# Altium PCB EPS_v5.PcbDoc (continued)
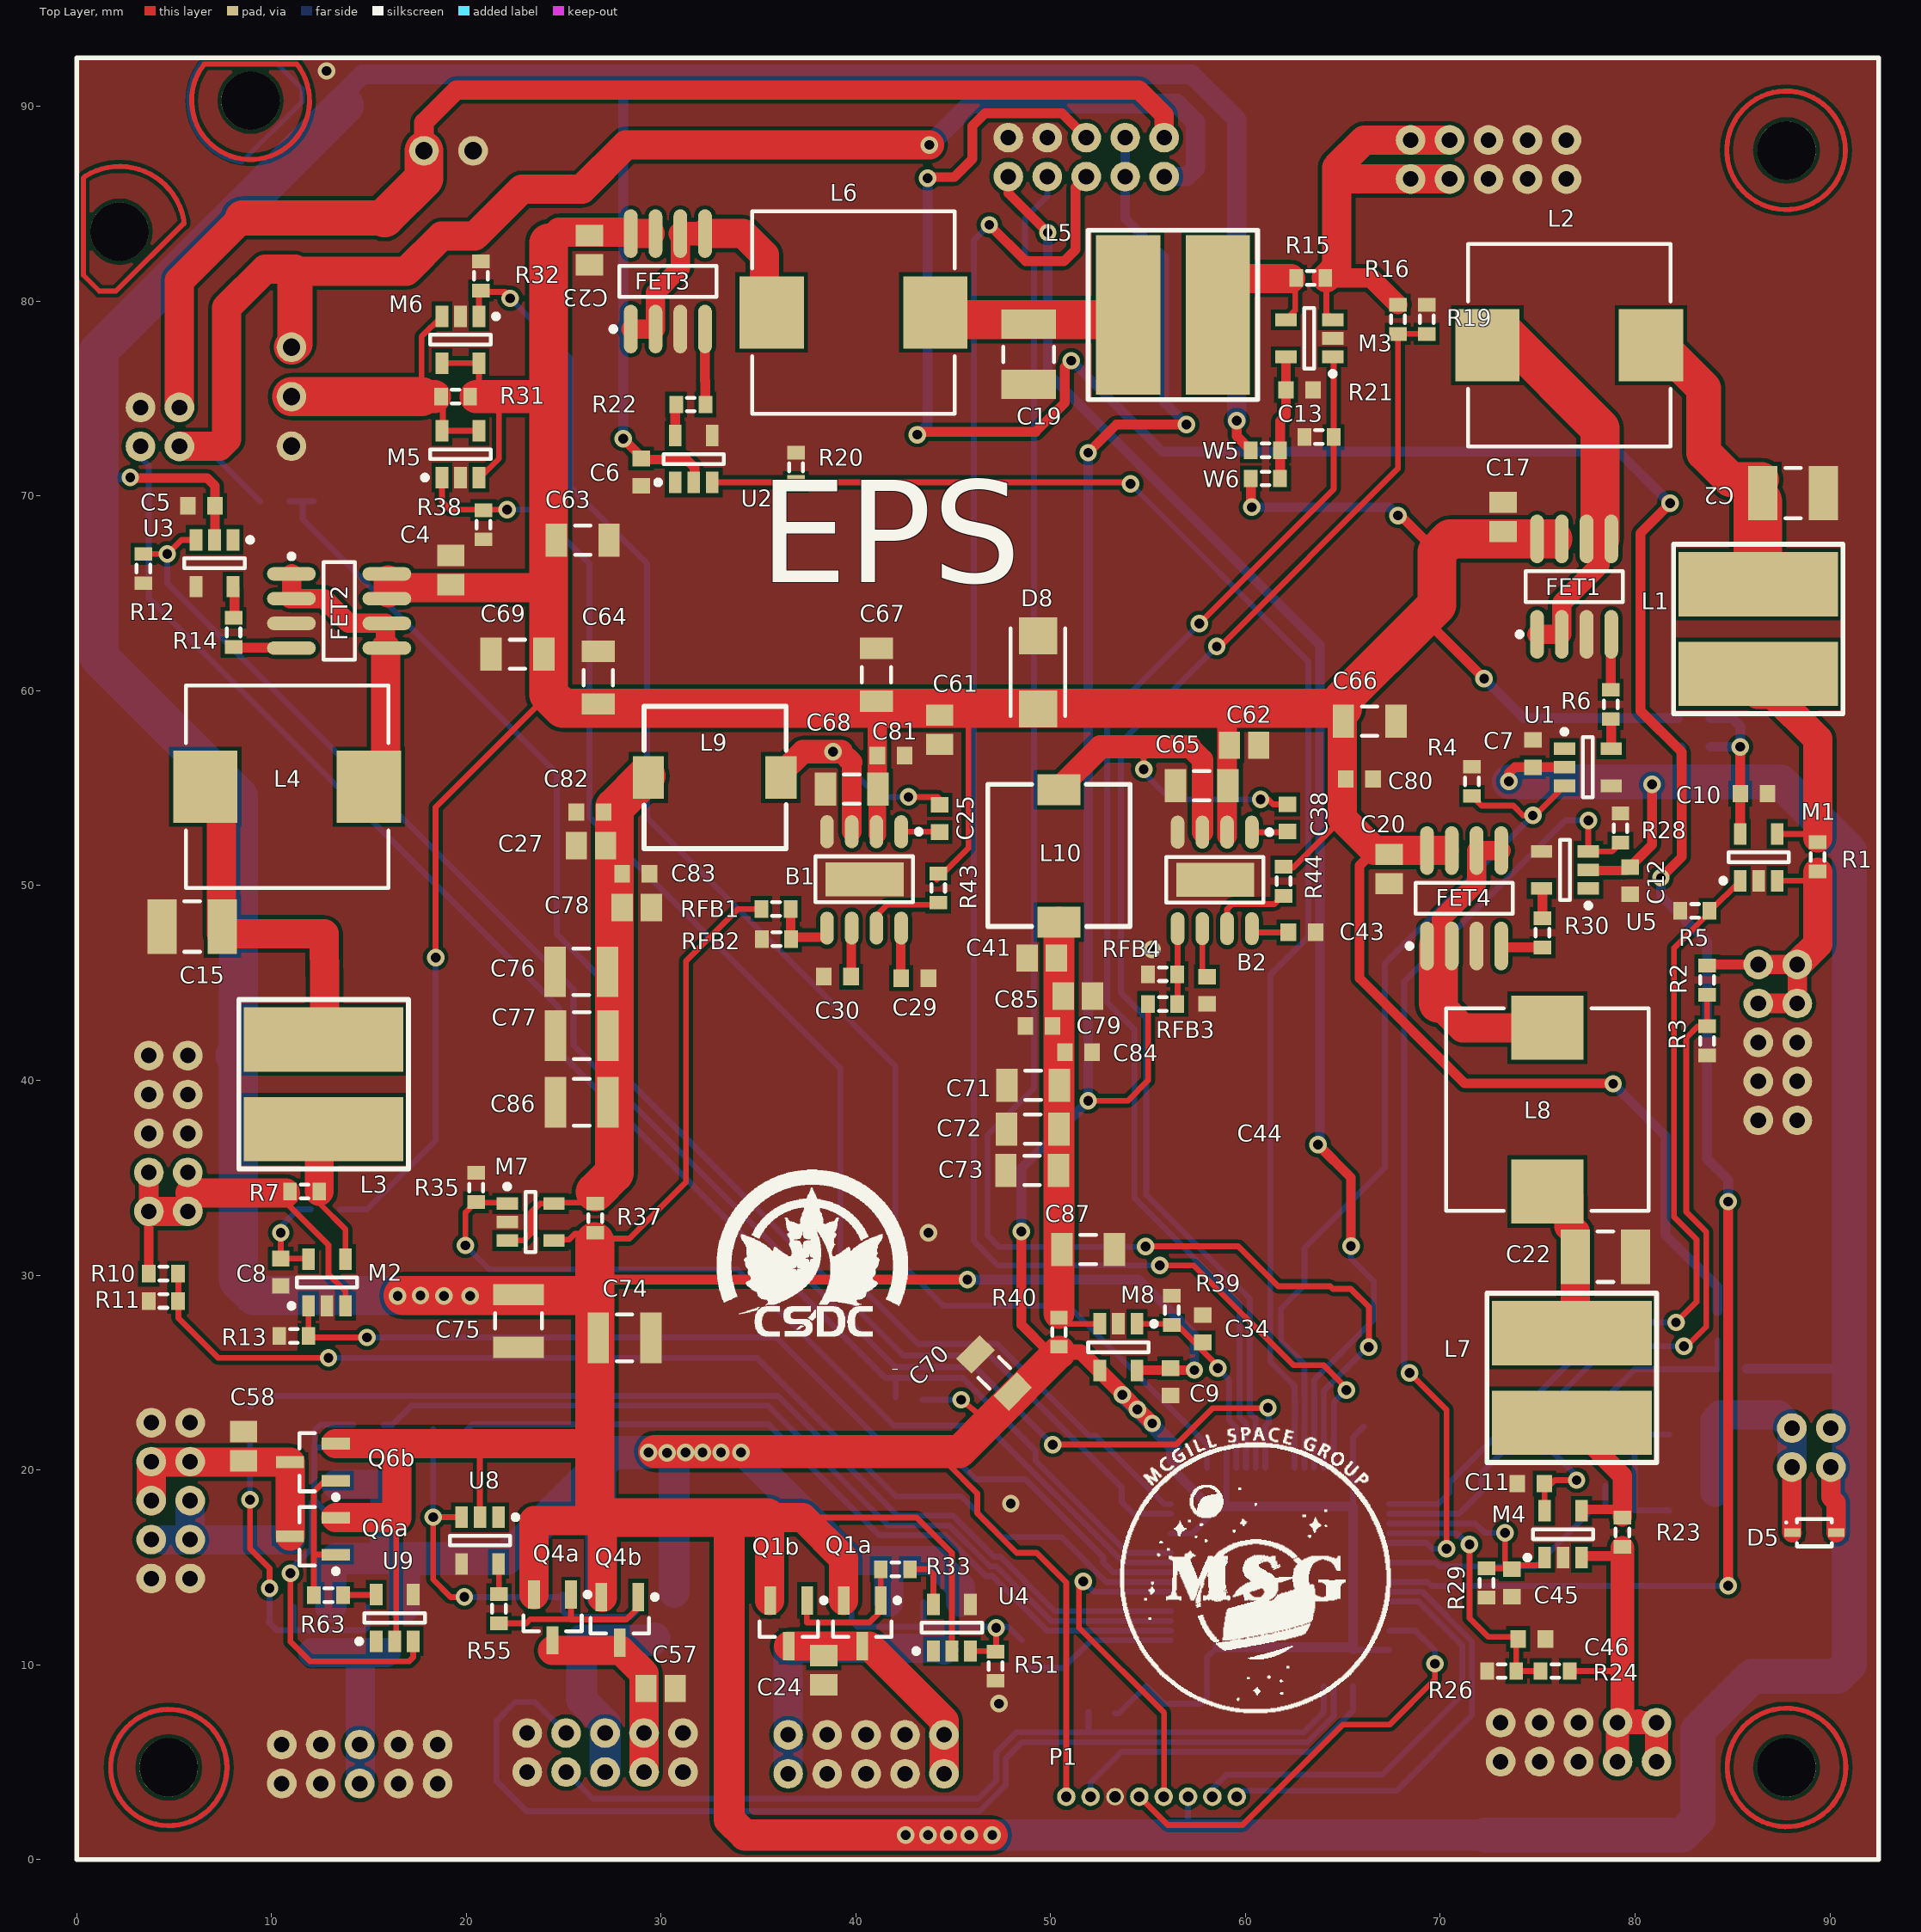
[diagram p0: Top Layer view]
## Part data (continued)
ADCS BATPACK Bottom COMM Left OBC PAYLOAD Right Top: library part "Header 10", "Header, 10-Pin"
Ant UMB: "Header, 4-Pin"
ANT1 ANT2: library part MOSFET-N, "N-Channel MOSFET"
B1 B2: library part TPS54228D, "Buck Step Down Regulator with 4.5 to 18 V Input and 0.76 to 7 V Output, -40 to 85 degC, 8-Pin SOIC (D), Green (RoHS & no Sb/Br)"
C2 C4 C5 C6 C7 C8 C9 C10 C11 C12 C13 C15 C17 C19 C20 C22 C23 C24 C25 C27 C29 C30 C31 C32 C33 C34 C35 C36 C37 C38 C39 C41 C42 C43 C44 C45 C46 C47 C48 C49 C50 C51 C52 C53 C54 C56 C57 C58 C59 C61 C62 C63 C64 C65 C66 C67 C68 C69 C70 C71 C72 C73 C74 C75 C76 C77 C78 C79 C80 C81 C82 C83 C84 C85 C86 C87: "Capacitor"
CB1: "Header, 3-Pin"
CB2: "Header, 2-Pin"
D5: library part Diode, "Default Diode"
D8: "Zener Diode"
FET1 FET2 FET3 FET4: library part Mosfet
L1 L3 L5 L7 L8 L9 L10: library part Inductor, "Inductor"
L2 L4 L6: library part 744325240, "SMD Flat Wire High Current Inductor WE-HCI, L=2.40 µH"
P1: "Header, 8-Pin"
Q1a Q1b Q2a Q2b Q3a Q3b Q4a Q4b Q5a Q5b Q6a Q6b Q7a Q7b: "P-Channel MOSFET"
R1 R2 R3 R4 R5 R6 R7 R10 R11 R12 R13 R14 R15 R16 R19 R20 R21 R22 R23 R24 R26 R27 R28 R29 R30 R31 R32 R33 R34 R35 R36 R37 R38 R39 R40 R41 R42 R43 R44 R50 R51 R52 R54 R55 R56 R61 R62 R63 R64 RFB1 RFB2 RFB3 RFB4: "Resistor"
STM1: library part STM32F103R6T6, "STM32 ARM-based 32-bit MCU with 32 Kbytes Flash, 64-pin LQFP, Industrial Temperature"
U1 U2 U3 U4 U5 U8 U9: "Tiny 1.5A, High-Speed Power MOSFET Driver, Non Inverting, Extended Temperature, Tape and Reel"
W1 W2 W3 W4 W5 W6 W7 W8: "Jumper Wire"

## Free pads (board coordinates)
  round 3 hole 3: 1(4.725,4.725) 2(2.2,83.575) 2(8.925,90.3) 3(87.775,87.75) 4(87.775,4.725)

## Via types
v1: diameter 0.9, hole 0.5, Top Layer to Bottom Layer, 91 vias

## Nets (pads, with @x,y where several pads share a name; then routed paths per layer and width w, separated by ;. In a path a pad name is that pad's centre, name@x,y a point inside that pad or via, vN(x,y) a via of type N, cw(c..) or ccw(c..) an arc to the next point about the centre after c; other vN are vias at no path point)
3_3V: BATPACK.3 BATPACK.4 C51.1 C52.1 C53.1 C54.1 C70.2 M8.4 P1.1 Q2a.2 Q2b.2 Q3a.2 Q3b.2 Q5a.2 Q5b.2 Q7a.2 Q7b.2 R40.1 R61.1 R62.2 RFB3.2 STM1.13 STM1.19 STM1.32 STM1.48 STM1.64 | length 246.3
  Top Layer w0.3: 44.7,20.325 46.225,18.8 46.225,17.775 48.25,15.75 49.275,15.75 50.8,14.225 P1.1 ; v1(45.4,23.6) 46.675,22.55 46.925,22.55 ; 49.9,26.05 R40.1@50.425,26.05 ; v1(51.925,38.95) 53.95,38.95 55,40 RFB3.2 RFB3.2@55,44.025
  Top Layer w0.5: v1(48.5,32.25) 48.5,27.45 49.9,26.05 ; v1(51.925,72.225) 53.375,73.675 v1(56.969,73.675)
  Top Layer w0.8: R40.1@50.425,26.05 51.55,26.05 52.512,25.088 53.713,23.888 54.475,23.125 v1(55.213,22.388)
  Top Layer w1.7: v1@29.675,20.95 45.325,20.95 46.925,22.55 R40.1@50.425,26.05
  Bottom Layer w0.3: R62.2@43.425,23.6 v1(45.4,23.6) ; R61.1@53.3,7.5 53.5,7.5 C51.1 55.8,8 57.7,8 58.025,8.325 STM1.64 58.025,10.375 58.55,10.9 ; STM1.13 57.282,16.75 57.575,17.043 57.575,17.05 58.65,18.125 ; 59,18.125 59.025,18.15 STM1.19 STM1.19@59.025,20.975 ; 65.4,10.9 65.525,10.775 65.55,10.75 STM1.48 ; 65.525,18.125 STM1.32 65.525,21.675 65.95,22.1 C53.1@66.075,22.225
  Bottom Layer w0.5: v1(48.5,32.25) 48.5,35.5 v1@51.937,38.938 ; v1@51.875,72.275 v1(51.925,72.225) v1(51.925,38.95) ; BATPACK.3 BATPACK.4 53.825,84.25 55.825,82.25 55.825,74.819 v1(56.969,73.675) ; C52.1@56.4,20.55 56.4,19.875 58.15,18.125 58.65,18.125 59,18.125 65.525,18.125 65.525,10.775 ; 58.55,10.9 65.4,10.9
  Bottom Layer w0.8: v1(53.675,23.85) 56.325,21.2 C52.1
  Bottom Layer w1.5: Q7b.2 15.35,19.25 15.825,18.775 15.825,15.475 ; v1@34.25,20.9 39.8,15.35 41.7,15.35 ; Q3a.2 41.675,15.325 41.7,15.35 ; Q3b.2 45.375,13.975 44,15.35 41.7,15.35
  Bottom Layer w1.6: Q2b.2 13.05,15.2 Q7a.2 16.8,15.45 16.825,15.425 Q2a.2 ; Q5a.2@26.9,13.6 26.9,20.3 ; v1(29.35,20.9) 30.575,20.9 v1(31.25,20.9) v1(32.125,20.9) v1(33.075,20.9) v1(34.1,20.9) v1@34.25,20.9 ; Q5b.2@30.675,13.725 v1@30.675,20.8
  Bottom Layer w1.7: 16.8,15.45 22.05,15.45 26.875,20.275 ; 26.9,20.3 27.5,20.9 v1(29.35,20.9) ; v1@30.575,20.9 v1@30.675,20.8
  other v1: 30.3,20.875 54.45,23.1
12V: B1.2 B2.2 C4.2 C17.2 C20.2 C23.2 C61.2 C62.2 C63.2 C64.2 C65.2 C66.2 C67.2 C68.2 C69.2 C80.2 C81.2 D8.2 FET1.7 FET1.8 FET2.7 FET2.8 FET3.7 FET3.8 FET4.7 FET4.8 M5.3 M6.4 M6.5 R31.1 R43.1 R44.1 W2.2 W4.2 W6.2 W8.2 | length 239.5
  Top Layer w0.3: v1(18.425,46.3) 18.425,54.025 24.225,59.825 ; M6.4 M6.5 20.65,75.3 20.45,75.1 20.85,75.1 21.675,74.275 21.675,71.925 M5.3@20.7,70.95 ; R31.1@20.35,75.2 20.25,75.1 20.575,74.775 ; R43.1@44.15,50.3 45.775,51.925 45.775,59.1 ; R44.1@61.95,50.925 62.45,50.925 64.975,53.45
  Top Layer w0.5: W6.2 60.275,69.475 v1(60.325,69.425) ; 66.625,51.8 65.85,51.025 65.85,45.25 71.25,39.85 78.85,39.85 v1(78.875,39.825) ; v1(67.825,69) 67.95,69 69.825,67.125 ; 69.15,63.725 v1(72.25,60.625)
  Top Layer w0.9: B1.2@41.1,52.608 C68.2@41.1,54.675
  Top Layer w1: C68.2@41.1,54.675 C67.2@41.1,58.925 ; B2.2@59.057,52.54 59.057,59.082 59.075,59.1
  Top Layer w1.5: FET2.8@15.985,65.7 15.985,65.025 16.26,65.3 23.575,65.3 ; 24.225,83 24.775,83.55 28,83.55 ; FET3.8 FET3.7@29.435,83.475 ; 64.975,59.55 64.975,59.1 64.975,53.45 66.625,51.8 FET4.8 70.2,51.8
  Top Layer w1.7: R31.1@20.5,75.1 23.725,75.1
  Top Layer w2: 24.225,83 24.225,59.825 24.95,59.1 45.775,59.1 59.075,59.1 C66.2@64.975,59.1 ; 64.975,59.55 69.15,63.725 69.825,64.4 69.825,67.125 70.5,67.8 FET1.8 75.775,67.8
  Bottom Layer w0.3: W4.2 14.9,33.375 18.425,36.9 v1(18.425,46.3)
  Bottom Layer w0.5: v1(60.325,69.425) 67.4,69.425 v1(67.825,69) ; v1(72.25,60.625) 74.275,58.6 W2.2@82.2,58.6 ; v1(78.875,39.825) 81.55,37.15 81.55,32.075 84.225,29.4 W8.2
ADCS_3_3V: ADCS.3 ADCS.4 ADCS.5 C59.2 Q7a.3 Q7b.3 | length 12.3
  Bottom Layer w1.5: ADCS.4@4.425,16.4 Q7a.3 Q7b.3 ; ADCS.3 ADCS.5
ADCS_5V: ADCS.6 ADCS.7 ADCS.8 C58.1 Q6a.3 Q6b.3 | length 12.9
  Top Layer w1.5: ADCS.6 3.825,20.4 Q6b.3 Q6a.3
ADCS_ONOFF: R64.2 STM1.4 | length 45.4
  Bottom Layer w0.3: R64.2@15.75,22.325 16.2,22.325 17.175,23.3 35.5,23.3 41.65,17.15 44.782,17.15 46.882,15.05 47.207,15.05 50.007,12.25 STM1.4
ADCS_ONOFFF2: Q7a.1 Q7b.1 R64.1 U9.3 | length 23.8
  Top Layer w0.3: v1(10.975,14.7) 10.975,11.175 11.975,10.175 17.075,10.175 17.275,10.375 U9.3
  Bottom Layer w0.3: v1(10.975,14.7) 10.975,14.9 11.375,15.3 11.406,15.3 12.05,15.944 12.05,18.3 12.2,18.45 ; Q7a.1 12.2,18.45 ; Q7b.1 12.225,21.15 ; R64.1@14.2,22.325 12.5,22.325 12.225,22.05 12.225,21.15 ; 12.2,18.45 12.2,21.175 12.225,21.15
BAT+: BATPACK.2 CB1.3 R34.2 UMB.1 | length 76.6
  Top Layer w1.5: UMB.1 7.325,72.55 7.7,72.925 7.7,79.675 9.675,81.65 11,81.65 ; 11.2,81.65 11.3,81.55 16.929,81.55 18.729,83.35 20.437,83.35 22.85,85.763 25.938,85.763 28.2,88.025 v1(43.775,88.025)
  Top Layer w1.8: CB1.3 11.2,77.815 11.2,81.45
  Bottom Layer w0.3: UMB.1@5.7,72.55 6.6,72.55 R34.2
  Bottom Layer w1: v1(43.775,88.025) 45.9,90.15 56.475,90.15 57.425,89.2 57.425,86.843 56.982,86.4 BATPACK.2
BAT-: BATPACK.1 CB2.1 UMB.2 | length 64.5
  Top Layer w1: CB2.1 17.825,89.175 19.5,90.85 54.525,90.85 55.825,89.55 BATPACK.1
  Top Layer w1.5: UMB.2 5.275,81.05 8.5,84.275
  Top Layer w1.8: 8.5,84.275 15.8,84.275
  Top Layer w2: 15.8,84.275 17.825,86.3 CB2.1
BOTTOM: Bottom.1 Bottom.2 Bottom.3 Bottom.4 M4.3 R23.2 R24.2 | length 19.4
  Top Layer w0.3: R24.2 79.35,9.675
  Top Layer w0.5: M4.3@77.275,15.575 78.925,15.575
  Top Layer w1.2: Bottom.4 Bottom.3 80.075,7.025 ; Bottom.3@79.35,7.025 79.35,9.675 R23.2@79.35,16 ; 80.15,7.1 80.075,7.025 ; Bottom.2 Bottom.1 80.075,7.025
COMM_3_3V: C50.2 COMM.5 COMM.6 Q2a.3 Q2b.3 | length 10.4
  Bottom Layer w1.5: Q2b.3@12.125,10.6 Q2b.3 Q2a.3 ; COMM.5@14.55,3.9 14.55,10.5
COMM_ONOFF: R41.2 R52.2 STM1.5 | length 52.1
  Bottom Layer w0.3: R41.2 9.475,23.8 36,23.8 42.15,17.65 44.989,17.65 47.089,15.55 47.414,15.55 50.214,12.75 STM1.5
DEPLOYANT: R27.2 R50.2 STM1.39 | length 13.6
  Bottom Layer w0.3: STM1.39 69.764,15.25 69.964,15.05 74.875,15.05 77.7,17.875 78.425,17.875 R27.2 R50.2@78.475,19.2
DEPLOYBOTTOM: STM1.45
DEPLOYLEFT: STM1.6
DEPLOYRIGHT: STM1.40
DEPLOYTOP: STM1.25
GND: ADCS.1 ADCS.2 ADCS.9 ADCS.10 ANT1.2 ANT2.2 B1.4 B2.4 BATPACK.7 BATPACK.9 Bottom.5 Bottom.6 Bottom.7 Bottom.8 Bottom.9 Bottom.10 C2.1 C4.1 C5.1 C6.1 C7.1 C8.1 C9.1 C10.1 C11.1 C12.1 C13.1 C15.1 C17.1 C19.1 C20.1 C22.1 C23.1 C24.1 C27.1 C29.1 C30.2 C31.1 C32.1 C33.1 C34.1 C35.1 C36.1 C37.1 C39.1 C41.1 C42.1 C43.1 C44.2 C45.1 C46.1 C47.1 C48.1 C49.1 C50.1 C51.2 C52.2 C53.2 C54.2 C56.1 C57.2 C58.2 C59.1 C61.1 C62.1 C63.1 C64.1 C65.1 C66.1 C67.1 C68.1 C69.1 C70.1 C71.1 C72.1 C73.1 C74.2 C75.2 C76.2 C77.2 C78.2 C79.1 C80.1 C81.1 C82.1 C83.1 C84.1 C85.1 C86.2 C87.2 CB1.1 CB2.2 COMM.1 COMM.2 COMM.3 COMM.4 COMM.7 COMM.8 COMM.9 COMM.10 D8.1 FET1.3 FET2.3 FET3.3 FET4.3 Left.5 Left.6 Left.7 Left.8 Left.9 Left.10 M1.2 M2.2 M3.2 M4.2 M5.2 M6.2 M7.2 M8.2 OBC.1 OBC.2 OBC.9 OBC.10 P1.3 PAYLOAD.3 PAYLOAD.4 PAYLOAD.5 PAYLOAD.6 PAYLOAD.7 PAYLOAD.8 R3.1 R4.2 R5.1 R11.1 R12.2 R13.1 R19.1 R20.2 R21.1 R26.1 R28.2 R29.1 R32.2 R35.1 R36.1 R38.1 R39.1 R50.1 R51.2 R52.1 R54.2 RFB2.1 RFB4.1 Right.5 Right.6 Right.7 Right.8 Right.9 Right.10 STM1.12 STM1.18 STM1.31 STM1.47 STM1.60 STM1.63 Top.5 Top.6 Top.7 Top.8 Top.9 Top.10 U1.4 U2.4 U3.4 U4.4 U5.4 U8.4 U9.4 UMB.4
  other v1: 47.352,8 47.95,18.275 43.725,32.181 55.2,46.725 12.825,91.825
HEATERS: BATPACK.5 STM1.41 | length 145.1
  Top Layer w0.5: v1@43,73.3 49.236,73.3 50.725,74.789 50.725,76.625 v1(51.05,76.95) ; v1@43.728,86.375 45.05,86.375 45.975,87.3 45.975,89 46.625,89.65 50.575,89.65 BATPACK.5 ; v1(81.325,50.4) 82.4,51.475 82.4,56.85 80.275,58.975 80.275,68.094 81.623,69.442 v1@81.623,69.777 ; v1(84.778,14.05) v1(84.778,33.778)
  Bottom Layer w0.3: STM1.41 69.35,14.25 69.55,14.05 v1(84.778,14.05)
  Bottom Layer w0.5: v1(43.15,73.15) 43.675,73.675 v1(43.675,86.325) ; v1@51.225,76.8 55.75,72.275 79.158,72.275 v1(81.8,69.633) ; v1(81.325,50.4) 81.325,49.475 83.7,47.1 83.7,35.975 84.778,34.897 v1(84.778,33.778)
I2CRESET: BATPACK.10 STM1.28 | length 75.4
  Top Layer w0.5: BATPACK.10 47.825,85.55 v1(49.85,83.525) ; v1(63.725,36.7) 65.414,35.011 v1(65.414,31.495)
  Bottom Layer w0.3: STM1.28 63.525,22.047 63.535,22.058 63.535,23.942 63.525,23.953 63.525,24.636 66.589,27.7 66.589,29.683 65.414,30.857 v1(65.414,31.495)
  Bottom Layer w0.5: v1(49.85,83.525) 49.85,76.32 63.825,62.345 63.825,36.8 v1(63.725,36.7)
I3_3V: C34.2 M8.1 R39.2 STM1.20 | length 10.8
  Top Layer w0.3: M8.1 56.425,27.5 58.575,25.35 v1(58.575,25.225)
  Bottom Layer w0.3: v1@58.7,25.225 v1(58.575,25.225) 59.15,24.65 59.15,22.565 59.525,22.19 STM1.20
I5V: C49.2 M7.1 R35.2 STM1.10 | length 47
  Top Layer w0.3: v1(19.95,31.525) 19.95,33.2 R35.2@20.475,33.725 ; R35.2 R35.2@20.475,33.725 ; M7.1@22.05,33.725 R35.2@20.475,33.725
  Bottom Layer w0.3: v1(19.95,31.525) 21.175,30.3 33.925,30.3 41.95,22.275 46.7,22.275 53.725,15.25 STM1.10
IBAT+: C32.2 M5.1 R38.2 STM1.16 | length 73.6
  Top Layer w0.3: M5.1 18.75,69.725 19.175,69.3 v1(22.1,69.3)
  Bottom Layer w0.3: v1(22.1,69.3) 23.55,69.3 26.325,66.525 26.325,53.5 39.2,40.625 39.2,30.45 43.175,26.475 47.25,26.475 51.975,21.75 52.325,21.75 55.825,18.25 STM1.16
IBAT-: C33.2 M6.1 R32.1 STM1.17 | length 81.7
  Top Layer w0.3: M6.1 20.65,80.45 20.625,80.475 22,80.475 22.25,80.225 v1(22.25,80.15)
  Bottom Layer w0.3: v1(22.25,80.15) 25.325,77.075 25.325,70.475 29.275,66.525 29.275,53.475 42.025,40.725 42.025,30.9 44.5,28.425 50.9,28.425 58.025,21.3 STM1.17
INCURRENT1: C39.2 M1.1 R5.2 STM1.33 | length 44
  Top Layer w0.3: v1(82.1,27.575) 83.15,28.625 83.15,31.825 82,32.975 82,46.8 R5.2@83.975,48.775 ; R5.2 83.85,48.7 M1.1
  Bottom Layer w0.3: STM1.33 69.9,18.25 70.475,18.825 C39.2 78.7,27.575 v1(82.1,27.575)
INCURRENT2: C48.2 M2.1 R13.2 STM1.9 | length 50.9
  Top Layer w0.3: R13.2@11.9,26.8 v1@14.85,26.8 ; R13.2 M2.1
  Bottom Layer w0.3: v1(14.9,26.8) 35.925,26.8 41.35,21.375 44.3,21.375 46.15,19.525 48.7,19.525 52.7,15.525 52.7,15.25 53.2,14.75 STM1.9
INCURRENT3: C35.2 M3.1 R21.2 STM1.21 | length 64.8
  Top Layer w0.3: v1(57.625,63.45) 64.525,70.35 M3.1@64.525,77.15
  Bottom Layer w0.3: v1@57.637,63.437 52.9,58.7 52.9,44 54.3,42.6 54.3,33.95 59.7,28.55 59.7,22.722 60.025,22.397 STM1.21
INCURRENT4: C45.2 M4.1 R29.2 STM1.35 | length 11.3
  Top Layer w0.3: R29.2@72.3,14.95 73.5,14.95 C45.2@73.55,14.9 ; v1(73.325,16.775) 73.325,15.1 M4.1@75.5,15.1
  Bottom Layer w0.3: STM1.35 71.8,17.25 72.275,16.775 v1(73.325,16.775)
LEFT: Left.1 Left.2 Left.3 Left.4 M2.3 R7.2 R10.2 | length 20.8
  Top Layer w0.3: R7.2@10.925,34.025 10.925,33.55 12.925,31.55 12.925,30.05 13.8,29.175 M2.3
  Top Layer w0.5: R10.2@3.7,30.125 Left.2
  Top Layer w1: Left.2 Left.4 ; Left.1 Left.3
  Top Layer w1.5: Left.2 Left.1 ; 5.825,34.225 R7.2@10.725,34.225
NetANT1_1: ANT1.1 ANT2.1 R27.1 | length 7
  Bottom Layer w0.3: ANT2.1 81.725,17.925 R27.1 79.975,21.1 80.7,21.825 ANT1.1
NetANT1_3: ANT1.3 ANT2.3 Ant.1 Ant.2 D5.1 | length 13.4
  Top Layer w1: Ant.2 88.05,16.8 D5.1
  Bottom Layer w1.5: ANT2.3 84.1,22.55 84.375,22.825 87.375,22.825 Ant.1 Ant.2
NetB1_1: B1.1 C25.1 | length 2.2
  Top Layer w0.3: B1.1 44.485,52.765 C25.1@44.5,52.75
NetB1_3: B1.3 C25.2 L9.1 | length 14.9
  Top Layer w0.3: v1(42.7,54.55) 44.2,54.55 44.3,54.45 C25.2
  Top Layer w1: B1.3 39.787,56.338
  Top Layer w1.1: v1@39.25,56.875 39.787,56.338
  Top Layer w1.2: L9.1@36.025,55.625 37.275,56.875 v1(38.825,56.875) v1@39.25,56.875
  Bottom Layer w0.3: v1(38.825,56.875) 41.15,54.55 v1(42.7,54.55)
NetB1_5: B1.5 RFB1.1 RFB2.2 | length 3.1
  Top Layer w0.5: RFB1.1@36.65,48.65 36.65,47.35 B1.5@38.482,47.35
NetB1_6: B1.6 C30.1 | length 2
  Top Layer w0.5: C30.1@39.762,45.325 B1.6@39.762,47.34
NetB1_7: B1.7 R43.2 | length 3.7
  Top Layer w0.3: B1.7 41.057,48.482 41.59,49.015 43.86,49.015 R43.2@43.875,49
NetB1_8: B1.8 C29.2 | length 2.3
  Top Layer w0.5: C29.2@42.302,45.052 B1.8@42.302,47.34
NetB2_1: B2.1 C38.1 | length 1.8
  Top Layer w0.3: B2.1 62.135,52.74 C38.1@62.15,52.725
NetB2_3: B2.3 C38.2 L10.1 | length 21.6
  Top Layer w0.3: v1(54.775,55.975) 54.775,57.075 54.825,57.125 ; v1(60.775,54.425) 61.175,54.425 61.425,54.175 C38.2
  Top Layer w1.1: 57.125,57.125 57.787,56.463 B2.3
  Top Layer w1.2: L10.1@50.425,55 52.55,57.125 54.825,57.125 57.125,57.125
  Bottom Layer w0.3: v1(54.775,55.975) 54.775,55.8 56.15,54.425 v1(60.775,54.425)
NetB2_5: B2.5 RFB3.1 RFB4.2 | length 3.6
  Top Layer w0.3: RFB3.1@56.517,44.025 B2.5@56.517,47.59
NetB2_6: B2.6 C44.1 | length 2.4
  Top Layer w0.3: B2.6@57.787,47.59 57.787,45.363 C44.1@57.875,45.275
NetB2_7: B2.7 R44.2 | length 4.2
  Top Layer w0.3: B2.7 59.057,48.782 59.325,49.05 61.475,49.05 R44.2@61.95,49.525
NetB2_8: B2.8 C43.2 | length 1.9
  Top Layer w0.3: B2.8@60.327,47.59 C43.2@62.19,47.59
NetBottom_9: 
NetC2_2: C2.2 L1.2 L2.1 | length 14.7
  Top Layer w1.8: L2.1@80.775,78.275 83.525,75.525 83.525,72.219 84.894,70.85 C2.2@86.5,70.85
  Top Layer w2.5: L1.2@86.3,65.775 C2.2@86.3,69.7
NetC8_2: C8.2 M2.5 W3.1 W4.1 | length 6.1
  Top Layer w0.3: v1(10.475,32.175) C8.2 M2.5@11.875,30.85
  Bottom Layer w0.3: W3.1 v1(10.475,32.175) 10.475,32.5 11.35,33.375 W4.1
NetC10_2: C10.2 M1.5 W1.1 W2.1 | length 8.8
  Top Layer w0.5: M1.5 C10.2 v1(85.4,57.125)
  Bottom Layer w0.5: W1.1 85.3,57.125 85.35,57.175 v1(85.4,57.125) 85.4,58.175 84.975,58.6 W2.1
NetC11_2: C11.2 M4.5 W7.1 W8.1 | length 16.9
  Top Layer w0.3: M4.5 75.35,18.95 75.875,19.475 v1(77,19.475)
  Bottom Layer w0.3: v1(77,19.475) 77.225,19.475 75.748,20.952 79.97,25.175 W7.1@84.225,25.175 ; W7.1 W8.1
NetC13_2: C13.2 M3.5 W5.1 W6.1 | length 6.4
  Top Layer w0.5: W6.1 W5.1 61.775,73.85 62.075,74.15 C13.2 M3.5
NetC15_2: C15.2 L3.2 L4.1 | length 18.7
  Top Layer w1.5: L4.1@6.45,55.1 7.425,54.125 7.425,47.525 12.7,47.525 12.75,42.175 L3.2
NetC19_2: C19.2 L5.2 L6.1 | length 10.2
  Top Layer w1.5: L5.2@53.2,80.55 L5.2@53.875,81.225
  Top Layer w2: L6.1@44.45,79.05 48.8,79.05 L5.2@53.725,79.05
NetC22_2: C22.2 L7.2 L8.1 | length 9.5
  Top Layer w1: L8.1@75.05,33.425 75.713,34.088 L8.1@75.95,34.325
  Top Layer w1.5: L8.1@75.95,34.325 76.325,34.325 76.6,34.05 76.6,32.525 76.925,32.2 76.925,31.1 L7.2@76.925,26.725
NetC27_2: C27.2 C76.1 C77.1 C78.1 C82.2 C83.2 C86.1 L9.2 M7.3 M7.5 R37.2 | length 28.4
  Top Layer w0.3: M7.3 22.95,31.775 23.325,32.15 23.325,33.225 23.775,33.675 M7.5 ; M7.5@24.45,33.725 R37.2@26.625,33.725
  Top Layer w2: 26.625,34.275 27.6,35.25 27.6,54 L9.2@29.225,55.625
NetC41_2: C41.2 C71.2 C72.2 C73.2 C79.2 C84.2 C85.2 C87.1 L10.2 M8.3 R40.2 | length 22.2
  Top Layer w0.3: R40.2@50.425,27.65 50.575,27.5 M8.3
  Top Layer w1.6: R40.2@50.425,28.05 L10.2
NetC55_1: 
NetCB1_2: CB1.2 M5.4 M5.5 M6.3 R31.2 | length 15.6
  Top Layer w0.3: 17.7,75.1 17.7,78.175 M6.3 ; R31.2@18.85,75.1 18.8,75.05 18.8,73.35 M5.4@20.7,73.35
  Top Layer w1.7: 17.7,75.1 R31.2@18.375,75.1
  Top Layer w2: CB1.2 17.7,75.1
NetD1_1: 
NetD2_1: 
NetD3_1: 
NetD6_1: 
NetDEPLOY1_1: 
NetDEPLOY2_2: 
NetDEPLOY3_1: 
NetDEPLOY4_1: 
NetFET1_1: FET1.1 FET1.2 FET1.5 FET1.6 L2.2 | length 19.5
  Top Layer w1: FET1.1 FET1.2 76.24,64.515 78.2,66.475 78.2,67.8
  Top Layer w2: L2.2@73.35,78.325 78.2,73.475 78.2,67.8
NetFET1_4: FET1.4 R6.2 | length 2.9
  Top Layer w0.5: R6.2 78.75,62.87 FET1.4
NetFET2_1: FET2.1 FET2.2 FET2.5 FET2.6 L4.2 | length 15.5
  Top Layer w1: FET2.2@10.95,64.735 12.69,64.735 13.95,63.475 FET2.6@15.84,63.475 ; FET2.2@11.035,64.75 FET2.1@11.035,66.02 ; L4.2@14.85,55.1 L4.2@15.85,56.1 ; FET2.5@15.85,62.195 FET2.6@15.85,63.465
  Top Layer w1.5: L4.2@15.85,56.1 FET2.5@15.85,62.195
NetFET2_4: FET2.4 R14.2 | length 3
  Top Layer w0.5: R14.2@8.05,62.21 FET2.4@11.035,62.21
NetFET3_1: FET3.1 FET3.2 FET3.5 FET3.6 L6.2 | length 14.6
  Top Layer w1: FET3.1 FET3.2 29.715,80.44 30.985,81.71 FET3.6
  Top Layer w1.2: FET3.6 FET3.5
  Top Layer w1.5: FET3.5 34.2,83.475 35.3,82.375 35.3,79.8 L6.2
NetFET3_4: FET3.4 R22.2 | length 3.9
  Top Layer w0.5: 32.25,75.925 32.275,75.9 R22.2@32.275,74.6 ; 32.255,75.97 FET3.4
NetFET4_1: FET4.1 FET4.2 FET4.5 FET4.6 L8.2 | length 15.4
  Top Layer w1: 70.05,47.44 70.05,48.3 71.86,50.11 FET4.6 FET4.5
  Top Layer w1.5: 69.9,43.95 71.15,42.7 L8.2
  Top Layer w2: 69.9,43.95 69.9,46.162 69.9,46.9
NetFET4_4: FET4.4 R30.2 | length 1.9
  Top Layer w0.5: FET4.4@73.205,46.825 R30.2@75.075,46.825
NetHEAT1_1: 
NetL1_1: L1.1 M1.4 R1.1 | length 11.3
  Top Layer w0.3: M1.4 89.175,52.65 R1.1@89.375,52.45
  Top Layer w1.5: L1.1@86.3,59.825 87.075,59.825 89.375,57.525 R1.1@89.375,52.45
NetL3_1: L3.1 M2.4 R7.1 | length 7.6
  Top Layer w0.3: R7.1 12.45,33.7 13.8,32.35 M2.4
  Top Layer w1: L3.1@9.8,37.6 L3.1@10.2,37.2
  Top Layer w1.5: R7.1 L3.1@12.45,37.275
NetL5_1: L5.1 M3.4 R15.1 | length 6.1
  Top Layer w0.3: M3.4 62.55,79.525 R15.1@62.55,81.2
  Top Layer w1.5: L5.1@58.525,81.175 R15.1@62.325,81.175
NetL7_1: L7.1 M4.4 R23.1 | length 7.2
  Top Layer w0.5: M4.4@77.275,17.975 78.975,17.975
  Top Layer w1: L7.1@76.925,22.125 79.35,19.7 R23.1@79.35,17.6
NetQ1a_1: Q1a.1 Q1b.1 R33.1 | length 7
  Top Layer w0.3: Q1b.1@37.475,12.975 37.475,12.175 40.7,12.175 41.275,12.75 41.275,12.975 R33.1
NetQ2a_1: Q2a.1 Q2b.1 R41.1 | length 17.5
  Top Layer w0.3: v1(8.9,18.475) 8.9,15.95 9.9,14.95 v1(9.9,13.925)
  Bottom Layer w0.3: v1(8.9,18.475) R41.1 ; v1(9.9,13.925) 9.9,12.247 9.851,12.199 10.275,11.775 11.15,11.775 ; Q2b.1 11.15,11.775 ; Q2a.1 14.925,11.925 14.775,11.775 11.15,11.775
NetQ4a_1: Q4a.1 Q4b.1 R55.1 | length 9.6
  Top Layer w0.3: R55.1@21.85,11.95 R55.1 23.075,12.125 23.288,12.338 25.375,12.338 ; Q4a.1 25.375,12.338 ; Q4b.1 28.825,12.925 28.225,12.325 25.387,12.325 25.375,12.338
NetQ6a_1: Q6a.1 Q6b.1 R63.1 | length 7.8
  Top Layer w0.3: R63.1 12.175,15.65 ; Q6a.1 12.175,15.65 ; Q6b.1 12.75,19.45 12.175,18.875 12.175,15.65
NetQ7_1: 
NetR6_1: R6.1 U1.5 | length 1.6
  Top Layer w0.5: U1.5 R6.1@78.775,58.625
NetR14_1: R14.1 U3.5 | length 1.6
  Top Layer w0.5: U3.5@8.05,65.3 8.1,65.25 R14.1@8.1,63.75
NetR22_1: R22.1 U2.5 | length 1.6
  Top Layer w0.5: U2.5 30.725,74.65 R22.1@30.75,74.675
NetR30_1: R30.1 U5.5 | length 1.5
  Top Layer w0.5: R30.1 U5.5@75.25,49.825
NetR33_2: R33.2 U4.5 | length 2.9
  Top Layer w0.3: R33.2 43.725,14.9 43.975,14.65 U4.5
NetR55_2: R55.2 U8.5 | length 1.6
  Top Layer w0.3: U8.5 21.675,15.15 R55.2
NetR63_2: R63.2 U9.5 | length 1.7
  Top Layer w0.3: R63.2 U9.5@15.35,13.575
NRST: P1.5 STM1.7 | length 17.7
  Top Layer w0.3: v1(51.675,14.275) 51.45,14.05 51.45,11.9 55.825,7.525 P1.5@55.825,3.225
  Bottom Layer w0.3: v1(51.675,14.275) 52.2,13.75 STM1.7
OBC_3_3V: C37.2 OBC.5 OBC.6 Q5a.3 Q5b.3 | length 11.1
  Bottom Layer w1.6: Q5a.3 Q5a.3@25.925,11.25 ; OBC.5 OBC.6 27.125,6.984 25.925,8.184 Q5a.3@25.925,11.25 ; Q5b.3 29.55,11.25 Q5a.3@25.925,11.25
OBC_5V: C57.1 OBC.7 OBC.8 Q4a.3 Q4b.3 | length 10.1
  Top Layer w1.5: Q4a.3@24.425,10.725 Q4b.3@27.925,10.725 ; Q4b.3@28,10.675 29.125,9.55 OBC.8 OBC.7
OBC_ONOFF: R56.2 STM1.3 | length 40.9
  Bottom Layer w0.3: R56.2@19.825,21.85 20.325,22.35 35.5,22.35 41.2,16.65 44.575,16.65 46.675,14.55 47,14.55 49.8,11.75 STM1.3
OBC_ONOFFF2: Q5a.1 Q5b.1 R54.1 R56.1 U8.3 | length 22.1
  Top Layer w0.3: U8.3 v1(18.3,17.575) 18.3,14.375 19.2,13.475 v1(19.9,13.475)
  Bottom Layer w0.3: v1(18.3,17.575) R56.1@18.3,22.1 ; v1(19.9,13.475) Q5a.1@24.95,13.475 ; Q5a.1 Q5a.1@24.95,13.475 ; Q5b.1 28.725,12.725 28.45,12.45 25.25,12.45 24.95,12.75 Q5a.1@24.95,13.475
PA13: P1.4 STM1.46 | length 23.1
  Top Layer w0.3: P1.4 56,1.775 59.85,1.775 65,6.925 67.4,6.925 69.725,9.25 v1(69.725,10.05)
  Bottom Layer w0.3: STM1.46 68.7,11.75 69.725,10.725 v1(69.725,10.05)
PA14: P1.2 STM1.49 | length 17
  Bottom Layer w0.3: P1.2 52.05,3.95 53.625,5.525 63.4,5.525 65.525,7.65 STM1.49
PC3: R62.1 STM1.11 UMB.3 | length 83.3
  Bottom Layer w0.3: UMB.3@3.375,72.55 3.375,71.9 3.7,71.575 3.7,64.775 24.75,43.725 24.75,41.475 41.5,24.725 45.475,24.725 49.225,20.975 49.225,20.457 53.932,15.75 STM1.11 ; R62.1@42.05,23.725 42.05,24.725
PWM1: R4.1 STM1.27 U1.3 | length 45.1
  Top Layer w0.3: R4.1 72.125,54.1 73.75,54.1 74.25,53.6 v1(74.75,53.6) v1@74.975,53.825 ; v1@75.075,53.825 U1.3
  Bottom Layer w0.3: STM1.27 63.025,22.254 63.035,22.265 63.035,23.735 63.025,23.746 63.025,25.425 61.825,26.625 61.825,28.286 63.025,29.486 63.025,31.4 67.15,35.525 67.15,46 v1(74.75,53.6)
PWM2: R12.1 STM1.23 U3.3 | length 85.1
  Top Layer w0.3: R12.1@3.375,67.025 v1(4.65,67.025) 5.375,67.75 U3.3@6.2,67.75 ; v1(50.1,21.3) 56.45,21.3 58.325,23.175 61.125,23.175 v1(61.15,23.2)
  Bottom Layer w0.3: v1(4.65,67.025) 4.65,65.525 25.5,44.675 25.5,41.8 42.025,25.275 46.125,25.275 v1(50.1,21.3) ; STM1.23 61.025,22.25 61.2,22.425 61.2,23.15 v1(61.15,23.2)
PWM3: R20.1 STM1.26 U2.3 | length 77.1
  Top Layer w0.3: U2.3 54.025,70.7 v1(54.1,70.625)
  Bottom Layer w0.3: v1(54.1,70.625) 63.225,61.5 63.225,47.375 61.275,45.425 61.275,25.55 62.525,24.3 62.525,23.538 62.535,23.528 62.535,22.472 62.525,22.462 STM1.26
PWM4: R28.1 STM1.37 U5.3 | length 49.4
  Top Layer w0.3: v1(68.425,24.975) 70.325,23.075 v1(70.325,15.95) ; v1(77.6,53.35) U5.3 78.8,51.75 R28.1
  Bottom Layer w0.3: STM1.37 69.3,16.25 69.6,15.95 v1(70.325,15.95) ; v1(68.425,24.975) 68.15,25.25 68.15,45.075 76.425,53.35 v1(77.6,53.35)
RIGHT: M1.3 R1.2 R2.2 Right.1 Right.2 Right.3 Right.4 | length 15.9
  Top Layer w0.3: M1.3 88.95,50.25 R1.2@89.375,50.675
  Top Layer w0.5: R2.2@83.875,45.95 Right.1
  Top Layer w1: Right.3 Right.4 Right.2 Right.1
  Top Layer w1.5: Right.2 89.375,47 R1.2@89.375,50.675
RX: OBC.3 R61.2 STM1.52 | length 44.6
  Bottom Layer w0.3: OBC.3 26.492,3.125 46.275,3.125 47.2,4.05 47.2,5.5 48.225,6.525 51.975,6.525 ; R61.2@51.95,7.575 51.95,6.55 51.975,6.525 ; STM1.52 64.025,7.564 62.986,6.525 51.975,6.525
RX2: P1.7 STM1.43 | length 22.5
  Bottom Layer w0.3: P1.7 58.3,3.625 58.4,3.725 59.025,4.35 67.025,4.35 71.125,8.45 71.125,11 68.875,13.25 STM1.43
SCL: BATPACK.8 STM1.29 | length 86.4
  Top Layer w0.305: v1(54.875,31.475) 59.625,31.475 61.675,29.425 64.35,29.425 64.475,29.3 65.4,29.3 66.329,28.371 v1(66.329,26.302)
  Bottom Layer w0.3: STM1.29 64.025,21.84 64.035,21.851 64.035,24.092 66.246,26.302 v1(66.329,26.302)
  Bottom Layer w0.305: BATPACK.8 49.825,85.406 48.675,84.256 48.675,82.35 49.15,81.875 49.15,39.6 46.75,37.2 46.75,32.05 47.352,31.448 54.848,31.448 v1(54.875,31.475)
SDA: BATPACK.6 STM1.30 | length 88.8
  Top Layer w0.3: v1(55.6,30.5) 57.34,30.5 62.465,25.375 64.025,25.375 65.15,24.25 65,24.1 v1(65.175,24.1)
  Top Layer w0.5: v1(46.85,83.925) 48.718,82.057 50.682,82.057 51.275,82.65 51.275,85.85 BATPACK.6
  Bottom Layer w0.3: v1(46.85,83.925) 46.053,83.128 46.053,31.747 47.3,30.5 v1(55.6,30.5) ; STM1.30 64.525,21.633 64.535,21.643 64.535,23.46 v1(65.175,24.1)
SU_3_3V: C56.2 PAYLOAD.1 PAYLOAD.2 Q3a.3 Q3b.3 | length 14.5
  Bottom Layer w1.5: PAYLOAD.1 PAYLOAD.2 36.525,10.85 Q3a.3 Q3b.3 Q3b.3@44.525,10.75
SU_5V: C24.2 PAYLOAD.9 PAYLOAD.10 Q1a.3 Q1b.3 | length 12.3
  Top Layer w1.5: Q1b.3 Q1a.3 40.7,10.95 44.525,7.125 PAYLOAD.10 PAYLOAD.9
SU_ONOFF: R42.2 STM1.2 | length 8.3
  Bottom Layer w0.3: R42.2 50.65,9.825 52.075,11.25 STM1.2
SU_ONOFF2: Q3a.1 Q3b.1 R42.1 R51.1 U4.3 | length 13.8
  Top Layer w0.3: U4.3 R51.1@47.1,10.7 ; R51.1@47.175,10.625 47.15,10.65 47.2,10.7 v1(47.2,11.9)
  Bottom Layer w0.3: Q3a.1@39.775,13.075 39.775,12.25 40.075,11.95 43.55,11.95 ; Q3b.1 43.475,12.025 43.55,11.95 ; R42.1@48.5,11.275 47.825,11.95 43.55,11.95
TOP: M3.3 R15.2 R16.2 Top.1 Top.2 Top.3 Top.4 | length 24.8
  Top Layer w0.3: R15.2@64.15,81.2 64.15,79.375 M3.3
  Top Layer w0.5: 64.675,86.87 65.266,86.279
  Top Layer w1: R15.2@64.15,81.2 66.45,81.2 R16.2
  Top Layer w1.5: R15.2@64.15,81.2 64.675,81.725 64.675,86.87 66.084,88.279 Top.2 Top.4 ; 65.266,86.279 Top.1 Top.3
TX: OBC.4 STM1.51 | length 55.7
  Bottom Layer w0.3: 23.075,2.475 46.332,2.475 47.7,3.843 47.7,5.2 48.525,6.025 63.193,6.025 64.525,7.357 STM1.51 ; 23.075,2.5 21.545,4.03 21.545,7.12 22.5,8.075 23.542,8.075 OBC.4
TX2: P1.8 STM1.42 | length 23.8
  Bottom Layer w0.3: P1.8 59.85,3.525 67.75,3.525 71.625,7.4 71.625,11.207 69.082,13.75 STM1.42@68.25,13.75 ; STM1.42@68.25,13.75 STM1.42 STM1.42@68.25,13.75
VBAT: C31.2 R34.1 R36.2 STM1.15 | length 75.4
  Bottom Layer w0.3: 46.875,25.875 53.65,19.1 53.65,18.35 54.25,17.75 STM1.15
  Bottom Layer w0.305: R34.1 11.6,69.725 ; R36.2@12.175,69.725 11.6,69.725 ; 46.875,25.875 42.45,25.875 27.15,41.175 27.15,45 24.65,47.5 24.65,55.75 11.6,68.8 11.6,69.725
VCC: Ant.3 Ant.4 C5.2 C6.2 C7.2 C9.2 C12.2 C74.1 C75.1 D5.2 M7.4 M8.5 P1.6 Q1a.2 Q1b.2 Q4a.2 Q4b.2 Q6a.2 Q6b.2 R37.1 RFB1.2 U1.2 U2.2 U3.2 U4.2 U5.2 U8.2 U9.2 W1.2 W3.2 W5.2 W7.2 | length 506.7
  Top Layer w0.3: U9.2 16.4,11.275 16.4,17.525 16.425,17.55 ; U8.2 20.7,21.35 ; M7.4@24.45,31.825 25.275,31.825 25.575,32.125 R37.1@26.375,32.125 ; R37.1@27.025,31.875 28.375,31.875 31.275,34.775 31.275,46.121 33.954,48.8 35,48.8 RFB1.2@35.15,48.65 ; 37.275,17.55 43.125,17.55 44.925,15.75 U4.2
  Top Layer w0.5: v1(2.75,70.95) 2.75,70.925 6.7,70.925 7.1,70.525 U3.2@7.1,67.7 ; 26.95,29.775 v1(45.725,29.775) ; v1(28.05,72.95) 29.125,71.875 31.3,71.875 31.725,71.45 U2.2@31.725,70.675 ; M8.5 54.45,25.125 v1(57.375,25.125) ; v1(59.55,73.875) 59.55,73.075 W5.2 ; v1(73.525,55.35) 73.525,55.775 73.825,56.075 C7.2 U1.2 ; U5.2@77.65,50.775 79.55,50.775 80.875,52.1 v1(80.875,55.2)
  Top Layer w1: Ant.4 90.05,18.6 90.325,18.325 D5.2
  Top Layer w1.5: Q6a.2 16.425,17.55 16.425,21.35 ; Q6b.2 16.425,21.35 ; Q4a.2@23.475,13.575 23.475,17.4 26.8,17.4 26.95,17.55 ; 26.6,17.9 26.95,17.55 ; 26.6,20.9 26.15,21.35 20.7,21.35 16.425,21.35 ; Q4b.2@26.975,13.45 26.975,17.525 26.95,17.55 ; Q1b.2@35.575,13.3 35.575,17.4 35.425,17.55 37.275,17.55 39.375,15.45 Q1a.2
  Top Layer w1.6: 33.5,17.55 33.5,2.05 34.3,1.25 v1(47,1.25)
  Top Layer w2: v1@16.75,28.95 26.55,28.95 26.6,29 ; 26.6,17.9 26.6,20.9 26.6,29 ; 26.6,31.725 26.6,29 ; 26.95,17.55 33.5,17.55 35.425,17.55
  Bottom Layer w0.3: 57.05,1.275 P1.6
  Bottom Layer w0.5: 1.15,70.55 1.55,70.95 ; 1.15,70.95 v1(2.75,70.95) ; v1(28.05,72.95) 28.05,91.075 ; v1(45.725,29.775) 54.525,29.775 57.375,26.925 v1(57.375,25.125) ; v1@80.475,55.325 80.6,55.2 v1(80.875,55.2) ; 82.35,55.4 W1.2@82.35,57.1 ; W7.2 90.775,25.2 90.8,25.175 91,25.375
  Bottom Layer w1: 13.738,90.062 13.738,90.713 14.675,91.65 57.225,91.65 59.55,89.325 v1(59.55,73.875) ; 90.9,37.95 91,38.05 ; 90.95,12.875 91,12.825
  Bottom Layer w1.6: v1(42.55,1.25) 72.275,1.25
  Bottom Layer w1.8: 72.275,1.25 82.4,1.25 83.225,2.075 83.225,6.625 86,9.4 90.375,9.4 91,10.025 91,12.825 91,25.375 91,38.05 91,51.8 87.475,55.325 80.475,55.325 v1@73.55,55.325
  Bottom Layer w2: 8.125,41.275 8.3,41.1 ; 13.738,90.062 1.15,77.475 1.15,61.725 8.3,54.575 8.3,41.1 ; v1@20.2,28.95 9.1,28.95 8.3,29.75 8.3,41.1
  other v1: 43.7,1.25 44.75,1.25 45.825,1.25 16.475,28.925 18.85,28.925 20.2,28.925 17.65,28.95
VIN1: C42.2 R2.1 R3.2 STM1.34 | length 39
  Top Layer w0.3: v1(82.5,26.35) 82.657,26.35 83.65,27.343 83.65,32.225 82.625,33.25 82.625,42.175 83.225,42.775 R3.2 R2.1
  Bottom Layer w0.3: STM1.34 70.975,17.75 72.125,18.9 72.125,19.85 78.625,26.35 v1(82.5,26.35)
VIN2: C47.2 R10.1 R11.2 STM1.8 | length 58.8
  Top Layer w0.3: R10.1@5.225,30.075 5.225,27.8 7.275,25.75 v1(12.925,25.75)
  Bottom Layer w0.3: v1(12.925,25.75) 34.925,25.75 42.025,18.65 45.403,18.65 47.503,16.55 50.55,16.55 52.85,14.25 STM1.8
VIN3: C36.2 R16.1 R19.2 STM1.22 | length 68.6
  Top Layer w0.3: v1(58.525,62.275) 58.7,62.275 67.825,71.4 R16.1 R19.2
  Bottom Layer w0.3: v1(58.525,62.275) 53.6,57.35 53.6,44.5 54.9,43.2 54.9,34.125 60.225,28.8 60.225,22.904 60.525,22.604 STM1.22
VIN4: C46.2 R24.1 R26.2 STM1.36 | length 13.9
  Top Layer w0.3: v1(71.5,16.175) 71.5,12.394 72.469,11.425 73.9,11.425 R26.2 R24.1
  Bottom Layer w0.3: STM1.36 70.85,16.75 71.425,16.175 v1(71.5,16.175)
pads on no net: STM1.1 STM1.14 STM1.24 STM1.38 STM1.44 STM1.50 STM1.53 STM1.54 STM1.55 STM1.56 STM1.57 STM1.58 STM1.59 STM1.61 STM1.62 U1.1 U2.1 U3.1 U4.1 U5.1 U8.1 U9.1
copper on no net: | length 187
  Top Layer w0.254: 0.338,86.325 0.338,81.337 1.155,80.52 2.011,80.52 5.473,83.981 ; 0.434,86.42 cw(c2.2,83.575) 5.523,83.988 ; 6.55,92.175 ccw(c8.925,90.3) 11.294,92.182 6.557,92.182 6.55,92.175 ; 7.712,4.725 ccw(c4.725,4.725) 7.712,4.725 ; 90.793,87.75 ccw(c87.75,87.75) 90.793,87.75 ; 90.818,4.725 ccw(c87.775,4.725) 90.818,4.725
  Bottom Layer w0.254: 0.338,81.337 0.338,86.325 0.434,86.42 cw(c2.2,83.575) 5.473,84.286 5.473,83.981 2.011,80.52 1.155,80.52 0.338,81.337 ; 6.363,92.196 ccw(c8.925,90.3) 8.471,87.146 11.575,90.25 11.575,90.896 10.275,92.196 6.363,92.196 ; 7.737,4.7 ccw(c4.75,4.7) 7.737,4.7 ; 90.793,87.75 ccw(c87.75,87.75) 90.793,87.75 ; 90.818,4.725 ccw(c87.775,4.725) 90.818,4.725

## Polygon pours and split planes (outlines as drawn)
GND on Top Layer "Top Layer-No Net" (solid, pour order 4): 0,92.5 92.5,92.5 92.5,0 0,0
no net on Top Layer "Top Layer-No Net 1" (solid, pour order 12): 6.15,5.65
no net on Top Layer "Top Layer-No Net 2" (solid, pour order 8): -1.075,5.525
GND on Bottom Layer "Top Layer-No Net" (solid, pour order 6): 0,92.5 92.5,92.5 92.5,0 0,0
no net on Bottom Layer "Bottom Layer-No Net" (solid, pour order 16): 18.4,-0.45

## Other copper
Bottom Layer:
  pour cut-out: 18.625,8.525
  pour cut-out: 21.975,-0.8
  pour cut-out: 30.35,-0.15
  pour cut-out: 28.2,1.375

## Silkscreen, mask and mechanical layers (free items; w line width, h text height)
Top Overlay:
  drawing of 3351 lines, arcs and shapes, not listed
  text "32.75, 35.9" at 35.725,102.225 h1.52
  text "EPS" at 35.025,63.85 h9
Bottom Overlay:
  drawing of 2386 lines, arcs and shapes, not listed
  text "McGill Space Group" at 89.375,81.6 h1.52
  text "LEMEC" at 11.675,60.6 h1.52
Drill Guide:
  pour cut-out: 31.575,11.25